# Altium PCB VNA_BASE_AF2P.PcbDoc (part 3 of 3)
Units mil, origin at the board's own origin, x right, y up, seen from the top; angles counter-clockwise.
Board outline 5118.11 x 2952.76 mil, 4 copper layers (Top Layer, Internal Plane 1, Signal Layer 1, Bottom Layer), stack 30.634 mil thick; 383 components, 339 nets, 1503 pads, 958 vias.
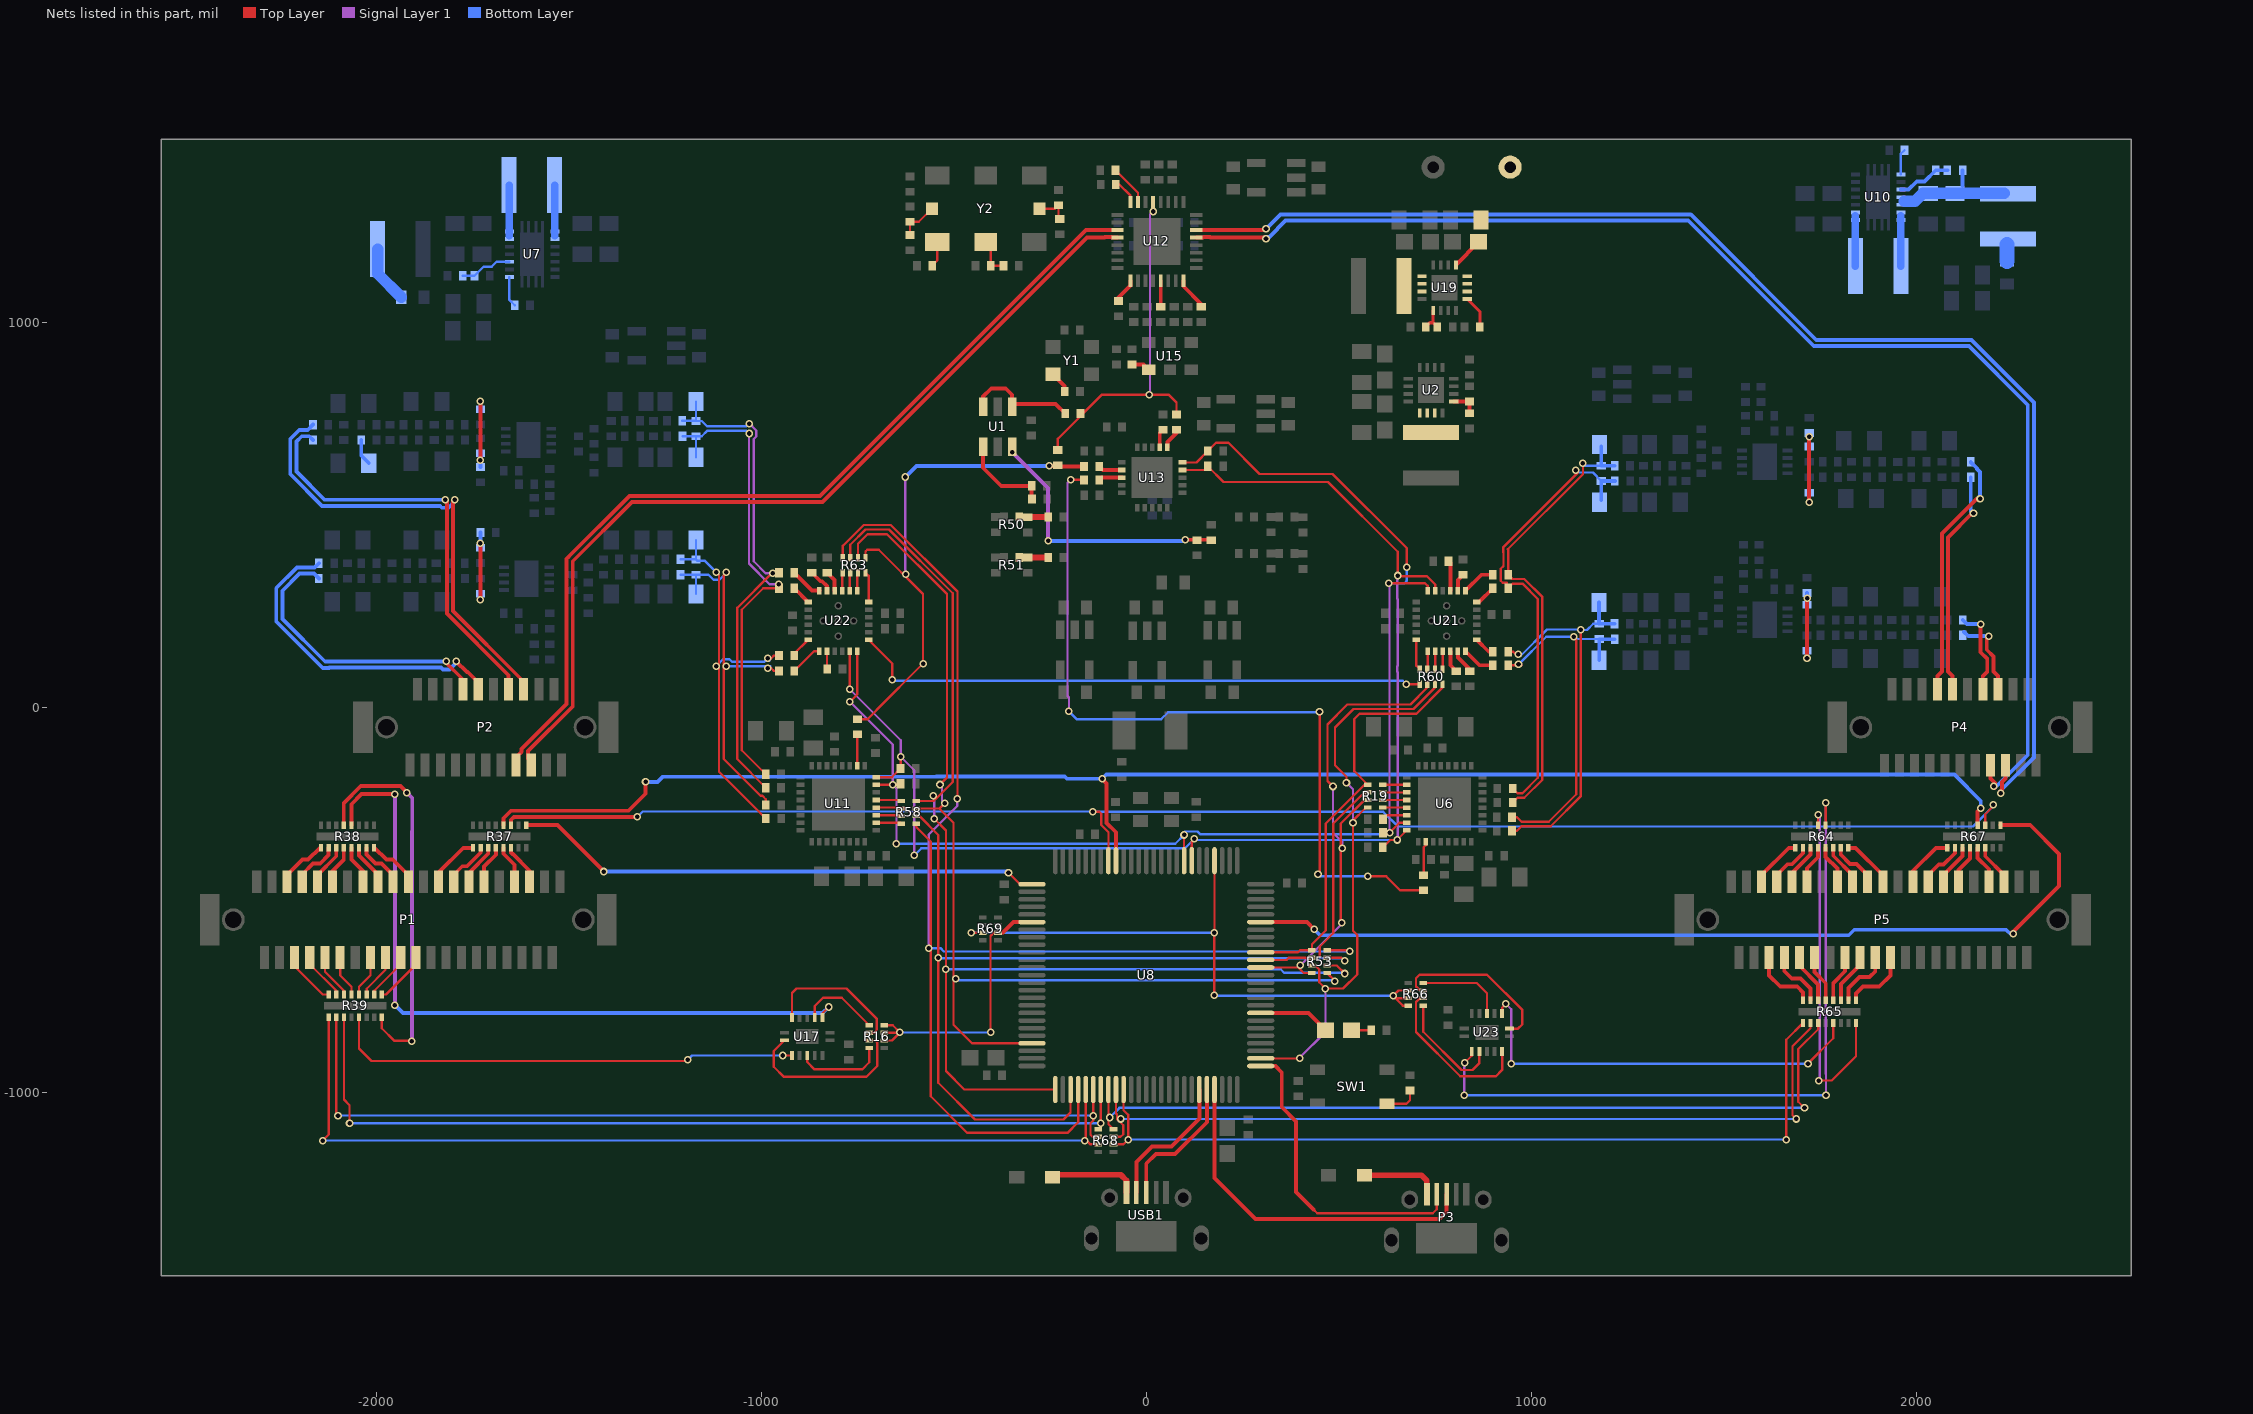
[diagram p5: the nets of this part, all layers, seen from the top]

## Via types
v1: diameter 19.68, hole 11.81, Top Layer to Bottom Layer, 478 vias
v2: diameter 17.72, hole 11.81, Top Layer to Bottom Layer, 464 vias
v3: diameter 20, hole 12, Top Layer to Bottom Layer, 16 vias

## Nets (pads, with @x,y where several pads share a name; then routed paths per layer and width w, separated by ;. In a path a pad name is that pad's centre, name@x,y a point inside that pad or via, vN(x,y) a via of type N, cw(c..) or ccw(c..) an arc to the next point about the centre after c; other vN are vias at no path point) (continued)
NetC164_2: C164.2@-255,495 R50.2 | length 75
  Top Layer w15: R50.2@-330,495 C164.2@-255,495
NetC165_2: C165.2 R51.2 | length 52.7
  Top Layer w15: R51.2@-307.68,390 C165.2@-255,390
NetC168_1: C168.1 L17.2 | length 68.2
  Bottom Layer w10: C168.1@-2039.69,695 -2039.69,654.69 L17.2@-2020,635
NetC172_1: C172.1 U19.9 | length 86
  Top Layer w8: U19.9@833.91,1061.39 866.54,1028.76 C172.1@866.54,988.92
NetC176_1: C176.1 U21.6 | length 86.1
  Top Layer w10: U21.6@829.21,146.26 865.47,110 C176.1@900.31,110
NetC177_1: C177.1 U21.5 | length 58.9
  Top Layer w10: U21.5@809.53,146.26 809.53,130.47 C177.1@840,100
NetC178_1: C178.1 U21.7 | length 54.3
  Top Layer w10: U21.7@858.74,175.79 889.53,145 C178.1@900.31,145
NetC179_1: C179.1 U21.12 | length 56.4
  Top Layer w10: U21.12@858.74,274.21 864.53,274.21 C179.1@900.31,310
NetC180_1: C180.1 U21.13 | length 88.2
  Top Layer w10: U21.13@829.21,303.74 870.47,345 C180.1@900.31,345
NetC181_2: C181.2 U21.14 | length 46.8
  Top Layer w10: U21.14@809.53,303.74 809.53,331.53 C181.2@823,345
NetC185_1: C185.1 U22.6 | length 84.4
  Top Layer w10: C185.1@-914.4,350.04 -868.1,303.74 U22.6@-849.21,303.74
NetC186_1: C186.1 U22.5 | length 65.7
  Top Layer w10: C186.1@-869.09,350.35 -846.73,328 -842.17,328 -829.53,315.36 U22.5@-829.53,303.74
NetC187_1: C187.1 U22.7 | length 50.6
  Top Layer w10: C187.1@-914.4,310.04 -914.4,309.87 U22.7@-878.74,274.21
NetC188_1: C188.1 U22.12 | length 50.4
  Top Layer w6: C188.1@-914.4,140.12 U22.12@-878.74,175.79
NetC189_1: C189.1 U22.13 | length 86.4
  Top Layer w6: C189.1@-914.4,95.04 -863.18,146.26 U22.13@-849.21,146.26
NetC190_2: C190.2 U22.14 | length 45.8
  Top Layer w6: C190.2@-829.53,100.48 U22.14@-829.53,146.26
NetC205_1: C205.1 C207.1 L50.1 R21.1 U10.4 U10.5 | length 309.1
  Bottom Layer w10: 2120.85,1355.55 R21.1@2120.85,1395.87
  Bottom Layer w30: 1969,1315 1997,1315 2017.87,1335.87 C207.1@2031.17,1335.87 C205.1@2101.17,1335.87 L50.1@2229.13,1335.87
NetC209_1: C209.1 U7.1 | length 79.4
  Bottom Layer w6: U7.1@-1654.74,1118.58 -1654.74,1059.06 C209.1@-1640.69,1045
NetC210_1: C210.1 U10.1 | length 67
  Bottom Layer w6: U10.1@1960.22,1384.92 1960.22,1438.54 C210.1@1969.69,1448
NetD1_1: D1.1 P3.1 | length 204
  Top Layer w15: D1.1@566.46,-1215 715,-1215 728.82,-1228.82 P3.1@728.82,-1264.69
NetD2_1: D2.1 USB1.1 | length 223.3
  Top Layer w15: D2.1@-237.36,-1213.82 -66.18,-1213.82 -51.18,-1228.82 USB1.1@-51.18,-1259.69
NetL2_1: L2.1 U7.6 U7.7 | length 130.7
  Bottom Layer w20: -1654.74,1226 U7.7@-1654.74,1236.69 L2.1@-1654.74,1356.69
NetL2_2: L2.2 U7.8 U7.9 | length 130.7
  Bottom Layer w20: -1536.63,1226 U7.8@-1536.63,1236.69 L2.2@-1536.63,1356.69
NetL3_1: L3.1 U10.8 U10.9 | length 131.2
  Bottom Layer w20: L3.1@1842.11,1146.81 U10.8@1842.11,1266.81 1842.11,1278
NetL3_2: L3.2 U10.6 U10.7 | length 131.2
  Bottom Layer w20: L3.2@1960.22,1146.81 U10.7@1960.22,1266.81 1960.22,1278
NetL12_2: L12.2 L13.1 R32.2 | length 202.3
  Top Layer w10: v1(-1730,280) v1(-1730,427)
  Bottom Layer w10: v1(-1730,280) L13.1@-1730,295.31 ; L12.2@-1730,415 v1(-1730,427) R32.2@-1730,455
NetL23_1: L23.1 L24.2 R34.2 | length 210.3
  Top Layer w10: v1(-1730,642) v1(-1730,796)
  Bottom Layer w10: R34.2@-1730,625 L23.1@-1730,660.31 ; L24.2@-1730,775 v1(-1730,796)
NetL34_1: L34.1 L35.2 R43.2 | length 222.3
  Top Layer w10: v1(1722.01,533.01) v1(1722,703.98)
  Bottom Layer w10: v1(1722.01,533.01) L35.2@1722.01,558.39 ; L34.1@1722.01,678.07 v1(1722,703.98)
NetL45_1: L45.1 L46.2 R46.2 | length 205
  Top Layer w10: v1(1716.42,128.58) 1716.42,283.42 v1(1717,284)
  Bottom Layer w10: v1(1716.42,128.58) L46.2@1716.42,147.64 ; L45.1@1716.42,267.32 R46.2@1716.42,297.64
NetL47_1: L47.1 U2.1 U2.2 U2.3
NetL48_1: L48.1 U19.1 U19.2 U19.3
NetL49_2: L49.2 R23.2 | length 150.5
  Bottom Layer w30: L49.2@-1997.11,1191 -1997.11,1127.58 R23.2@-1935.53,1066
NetL50_2: L50.2 R55.2 | length 43.4
  Bottom Layer w39.37: R55.2@2236,1159.53 L50.2@2236,1202.89
NetLED1_1: LED1.1 U8.83 | length 187
  Top Layer w10: U8.83@297.24,-793.43 421.06,-793.43 LED1.1@465.75,-838.12
NetLED1_2: LED1.2 R18.1 | length 51.3
  Top Layer w6: LED1.2@533.21,-838.12 R18.1@584.53,-838.12
NetP1_3: P1.3 R38.1 | length 117.7
  Top Layer w10: P1.3@-2232.28,-435.23 -2192.05,-395 -2177.63,-395 -2147.15,-364.53 R38.1@-2143.9,-364.53
NetP1_4: P1.4 R38.2 | length 108
  Top Layer w10: P1.4@-2192.91,-432.91 -2165,-405 -2145.94,-405 -2124.21,-383.27 R38.2@-2124.21,-364.53
NetP1_5: P1.5 R38.3 | length 91
  Top Layer w10: P1.5@-2153.54,-435.23 -2104.53,-386.22 R38.3@-2104.53,-364.53
NetP1_6: P1.6 R38.4 | length 100.4
  Top Layer w10: P1.6@-2114.17,-452.76 -2114.17,-424.17 -2084.84,-394.84 R38.4@-2084.84,-364.53
NetP1_8: P1.8 R38.5 | length 72.4
  Top Layer w10: R38.5@-2065.16,-364.53 -2065.16,-394.84 P1.8@-2035.43,-424.57
NetP1_9: P1.9 R38.6 | length 89.9
  Top Layer w10: R38.6@-2045.47,-364.53 -2045.47,-384.53 P1.9@-1996.06,-433.94
NetP1_10: P1.10 R38.7 | length 108.4
  Top Layer w10: R38.7@-2025.79,-364.53 -2025.79,-381.59 -2002.37,-405 -1986.92,-405 P1.10@-1956.69,-435.23
NetP1_11: P1.11 R38.8 | length 118.1
  Top Layer w10: R38.8@-2006.1,-364.53 -2004.77,-364.53 -1974.3,-395 -1957.55,-395 P1.11@-1917.32,-435.23
NetP1_13: P1.13 R37.1 | length 116.2
  Top Layer w10: P1.13@-1838.58,-428.58 -1774.53,-364.53 R37.1@-1748.9,-364.53
NetP1_14: P1.14 R37.2 | length 124.4
  Top Layer w10: P1.14@-1799.21,-452.76 -1799.21,-434.21 -1777.23,-412.23 -1764.93,-412.23 -1729.21,-376.51 R37.2@-1729.21,-364.53
NetP1_15: P1.15 R37.3 | length 86.1
  Top Layer w10: P1.15@-1759.84,-429.76 -1709.53,-379.45 R37.3@-1709.53,-364.53
NetP1_16: P1.16 R37.4 | length 100.9
  Top Layer w10: P1.16@-1720.47,-452.76 -1720.47,-413.02 -1689.84,-382.39 R37.4@-1689.84,-364.53
NetP1_18: P1.18 R37.5 | length 100
  Top Layer w10: R37.5@-1670.16,-364.53 -1670.16,-379.84 -1641.73,-408.27 P1.18@-1641.73,-452.76
NetP1_19: P1.19 R37.6 | length 80
  Top Layer w10: R37.6@-1650.47,-364.53 -1650.47,-376.9 -1646.66,-380.71 -1645.71,-380.71 P1.19@-1602.36,-424.06
NetP1_31: P1.31 R39.9 | length 138.7
  Top Layer w6: R39.9@-1986.1,-745.47 -1975.47,-745.47 -1897.64,-667.64 P1.31@-1897.64,-649.61
NetP1_32: P1.32 R39.10 | length 107
  Top Layer w6: R39.10@-2005.79,-745.47 -2005.79,-735.79 P1.32@-1937.01,-667.01
NetP1_33: P1.33 R39.11 | length 116.2
  Top Layer w6: R39.11@-2025.47,-745.47 -2025.47,-730.47 -1976.38,-681.38 P1.33@-1976.38,-649.61
NetP1_34: P1.34 R39.12 | length 108
  Top Layer w6: R39.12@-2045.16,-745.47 -2045.16,-725.16 -2015.75,-695.75 P1.34@-2015.75,-649.61
NetP1_36: P1.36 R39.13 | length 108.1
  Top Layer w6: P1.36@-2094.49,-649.61 -2094.49,-695.51 -2064.84,-725.16 R39.13@-2064.84,-745.47
NetP1_37: P1.37 R39.14 | length 116.3
  Top Layer w6: P1.37@-2133.86,-649.61 -2133.86,-686.14 -2084.53,-735.47 R39.14@-2084.53,-745.47
NetP1_38: P1.38 R39.15 | length 124.5
  Top Layer w6: P1.38@-2173.23,-649.61 -2173.23,-666.77 -2104.21,-735.79 R39.15@-2104.21,-745.47
NetP1_39: P1.39 R39.16 | length 119
  Top Layer w6: P1.39@-2212.6,-672.4 -2139.53,-745.47 R39.16@-2123.9,-745.47
NetP5_3: P5.3 R64.1 | length 117
  Top Layer w10: P5.3@1598.43,-435.23 1669.13,-364.53 R64.1@1686.1,-364.53
NetP5_4: P5.4 R64.2 | length 123
  Top Layer w10: P5.4@1637.8,-452.76 1637.8,-435.23 1666.03,-407 1677.37,-407 1705.79,-378.58 R64.2@1705.79,-364.53
NetP5_5: P5.5 R64.3 | length 85.3
  Top Layer w10: P5.5@1677.17,-429.83 1725.47,-381.53 R64.3@1725.47,-364.53
NetP5_6: P5.6 R64.4 | length 100.1
  Top Layer w10: P5.6@1716.54,-452.76 1716.54,-417.46 1745.16,-388.84 R64.4@1745.16,-364.53
NetP5_8: P5.8 R64.5 | length 100.8
  Top Layer w10: R64.5@1764.84,-364.53 1764.84,-387.84 1795.28,-418.28 P5.8@1795.28,-452.76
NetP5_9: P5.9 R64.6 | length 91.3
  Top Layer w10: R64.6@1784.53,-364.53 1784.53,-384.9 P5.9@1834.65,-435.02
NetP5_10: P5.10 R64.7 | length 109.3
  Top Layer w10: R64.7@1804.21,-364.53 1804.21,-381.96 1828.25,-406 1844.79,-406 P5.10@1874.02,-435.23
NetP5_11: P5.11 R64.8 | length 118.8
  Top Layer w10: R64.8@1823.9,-364.53 1842.68,-364.53 P5.11@1913.39,-435.23
NetP5_13: P5.13 R67.1 | length 113.6
  Top Layer w10: P5.13@1992.13,-423.87 2051.47,-364.53 R67.1@2081.1,-364.53
NetP5_14: P5.14 R67.2 | length 106.7
  Top Layer w10: P5.14@2031.5,-435.23 2058.73,-408 2071.23,-408 2100.79,-378.44 R67.2@2100.79,-364.53
NetP5_15: P5.15 R67.3 | length 91.3
  Top Layer w10: P5.15@2070.87,-435.23 2120.47,-385.62 R67.3@2120.47,-364.53
NetP5_16: P5.16 R67.4 | length 100.6
  Top Layer w10: P5.16@2110.24,-452.76 2110.24,-421.76 2140.16,-391.84 R67.4@2140.16,-364.53
NetP5_18: P5.18 R67.5 | length 100.3
  Top Layer w10: R67.5@2159.84,-364.53 2159.84,-390.84 2188.98,-419.98 P5.18@2188.98,-452.76
NetP5_19: P5.19 R67.6 | length 90.9
  Top Layer w10: R67.6@2179.53,-364.53 2179.53,-386.41 P5.19@2228.35,-435.23
NetP5_31: P5.31 R65.9 | length 172.4
  Top Layer w10: R65.9@1843.9,-760.47 1843.9,-743.1 1862,-725 1904,-725 1933.07,-695.93 P5.31@1933.07,-649.61
NetP5_32: P5.32 R65.10 | length 154.9
  Top Layer w10: R65.10@1824.21,-760.47 1824.21,-728.79 1853,-700 1879,-700 1893.7,-685.3 P5.32@1893.7,-649.61
NetP5_33: P5.33 R65.11 | length 112.4
  Top Layer w10: R65.11@1804.53,-760.47 1804.53,-718.47 P5.33@1854.33,-668.67
NetP5_34: P5.34 R65.12 | length 123.3
  Top Layer w10: R65.12@1784.84,-760.47 1784.84,-715.16 1814.96,-685.04 P5.34@1814.96,-649.61
NetP5_36: P5.36 R65.13 | length 122.9
  Top Layer w10: P5.36@1736.22,-649.61 1736.22,-687.22 1765.16,-716.16 R65.13@1765.16,-760.47
NetP5_37: P5.37 R65.14 | length 109.8
  Top Layer w10: P5.37@1696.85,-670.85 1745.47,-719.47 R65.14@1745.47,-760.47
NetP5_38: P5.38 R65.15 | length 152.6
  Top Layer w10: P5.38@1657.48,-649.61 1657.48,-684.48 1677,-704 1700,-704 1725.79,-729.79 R65.15@1725.79,-760.47
NetP5_39: P5.39 R65.16 | length 173.1
  Top Layer w10: P5.39@1618.11,-649.61 1618.11,-696.11 1647,-725 1691,-725 1706.1,-740.1 R65.16@1706.1,-760.47
NetR1_2: R1.2 U13.7 | length 48.7
  Top Layer w10: U13.7@35,676.22 35,713.17 R1.2@43.31,721.48
NetR2_2: R2.2 U12.32 | length 60.5
  Top Layer w6: R2.2@-72.48,1361.1 -41.38,1330 U12.32@-41.38,1313.46
NetR3_2: R3.2 U12.13 | length 67.5
  Top Layer w10: R3.2@37.36,1041.26 U12.13@37.36,1108.74
NetR4_2: R4.2 U12.9 | length 65.5
  Top Layer w10: R4.2@-72.48,1056.1 -72.48,1065.52 -41.38,1096.62 U12.9@-41.38,1108.74
NetR5_2: R5.2 R6.1 U2.5 | length 71.3
  Top Layer w10: U2.5@798.74,795.16 839.53,795.16 R6.1@839.69,795 R5.2@839.69,764.69
NetR8_1: R8.1 U13.13 | length 52.6
  Top Layer w10: R8.1@-116,597.48 U13.13@-63.43,597.48
NetR8_2: R8.2 R9.2 | length 2025.9
  Top Layer w6: v1(-196.52,591.48) R8.2@-161.69,591.48 ; v1(446,-433) 450.94,-428.06 v1@450.94,-11 ; v1(575,-438) 623,-438 660,-475 R9.2@720,-475
  Signal Layer 1 w6: v1(-201,-10) -201,26.26 -204.79,30.05 -204.79,583.21 v1(-196.52,591.48)
  Bottom Layer w6: v1(-201,-10) -181,-30 39,-30 57,-12 451,-12 v1(450,-11) ; v1(446,-433) 451,-438 v1(575,-438)
NetR9_1: R9.1 U6.2 | length 88.3
  Top Layer w6: R9.1@720.68,-434.63 720.68,-362.64 725.79,-357.54 U6.2@725.79,-348.43
NetR10_2: R10.2 U12.31 | length 106.7
  Top Layer w6: R10.2@-80,1396 -21.69,1337.69 U12.31@-21.69,1313.46
NetR11_2: R11.2 R30.1 R36.1 U6.31 U8.8 U11.31 U13.5 U21.18 U22.18 | length 3673.1
  Top Layer w6: v1(-770,15) -750.79,34.21 U22.18@-750.79,146.26 ; U11.31@-701.57,-200.79 v1(-659,-200.79) R36.1@-641.19,-200.79 ; U13.5@94.06,636.85 130.07,636.85 R11.2@159.9,666.68 180.9,687.68 213.31,687.68 293.99,607 484,607 677,414 v1(677,364) ; v1(98,-331) 98,-397.33 U8.8@98.43,-397.76 ; R30.1@614.68,-325 v1(632,-325) 657.79,-299.21 U6.31@676.57,-299.21 ; v1(630,323) 724,323 730.79,316.21 U21.18@730.79,303.74
  Signal Layer 1 w6: v1(-770,15) -659,-96 v1(-659,-200.79) -649.16,-210.63 v1(-649.16,-353.84) ; v1(632,-325) v1@632,320
  Bottom Layer w6: v1(-649.16,-353.84) 75.16,-353.84 v1(98,-331) 98,-324 99.84,-322.16 132.8,-322.16 139.49,-328.84 628.16,-328.84 v1(632,-325) ; v1(630,323) 670,323 677,330 v1(677,364)
NetR12_2: R12.2 R29.1 R35.1 U6.32 U8.7 U11.32 U13.4 U21.17 U22.17 | length 3646.4
  Top Layer w6: U22.17@-770.47,146.26 -770.4,146.19 v1(-770.4,47.4) ; U11.32@-701.57,-181.1 -661.5,-181.1 R35.1@-638.47,-158.07 -638,-157.6 v1(-638,-128) ; U13.4@94.06,617.17 150.39,617.16 R12.2@159.9,626.68 200.57,586 472,586 653,405 v1(653,343) 653,341 729,341 750.47,319.53 U21.17@750.47,303.74 ; U8.7@118.11,-397.76 118.11,-347.89 v1(125,-341) ; R29.1@614.6,-362.96 633.56,-344 v1(652,-344) 652,-343.47 U6.32@676.57,-318.9
  Signal Layer 1 w6: v1(-770.4,47.4) -638,-85 v1(-638,-128) -603,-163 v1(-603,-384) ; v1(652,-344) 653,-343 653,91.35 652.16,92.2 652.16,107.8 653,108.65 653,281.35 652.16,282.2 652.16,342.16 v1(653,343)
  Bottom Layer w6: v1(-603,-384) -584.84,-365.84 100.16,-365.84 v1(125,-341) 128,-344 v1(652,-344)
NetR13_2: R13.2 U12.16 | length 79.4
  Top Layer w10: U12.16@96.42,1108.74 96.42,1094.58 R13.2@142.52,1048.48
NetR14_2: R14.2 R54.1 U7.3 | length 136
  Bottom Layer w6: R14.2@-1775.68,1121.63 R54.1@-1745.37,1121.63 -1722,1145 -1700.9,1145 -1687.95,1157.95 U7.3@-1654.74,1157.95
NetR15_2: R15.2 U15.1 | length 49.4
  Top Layer w10: R15.2@-37.48,891.1 -7.03,891.1 U15.1@6.4,877.67
NetR16_1: R16.1 U17.3 | length 210.2
  Top Layer w6: U17.3@-861.3,-805.5 -861.3,-775.3 -840,-754 -791.16,-754 R16.1@-719.69,-825.47
NetR16_2: R16.2 U17.6 | length 372.8
  Top Layer w6: U17.6@-920.35,-805.5 -920.35,-741.71 -908.48,-729.83 -779.17,-729.83 -700,-809 -700,-836.84 -708.31,-845.16 R16.2@-719.69,-845.16
NetR16_3: R16.3 U17.8 | length 454.9
  Top Layer w6: U17.8@-940.04,-864.55 -968,-892.51 -968,-933 -941.5,-959.5 -727.5,-959.5 -699.16,-931.16 -699.16,-870.84 -705.16,-864.84 R16.3@-719.69,-864.84
NetR16_4: R16.4 U17.11 | length 231
  Top Layer w6: U17.11@-880.98,-903.92 -880.98,-921.02 -862,-940 -738,-940 -719.69,-921.69 R16.4@-719.69,-884.53
NetR16_6: R16.6 R16.7 R16.8 R69.6 U8.31 | length 745.3
  Top Layer w6: R16.6@-680.32,-864.84 -660.84,-864.84 v1@-641.16,-845.16 ; R16.7@-680.32,-845.16 v1@-641.16,-845.16 ; R16.8@-680.32,-825.47 -658.53,-825.47 v1(-640,-844) v1@-641.16,-845.16 ; v1(-404,-843) -405,-842 -405,-593.3 -396.54,-584.84 R69.6@-385.32,-584.84
  Top Layer w10: R69.6@-385.32,-584.84 -372.47,-584.84 -344.83,-557.21 U8.31@-297.24,-557.21
  Bottom Layer w6: v1(-640,-844) -405,-844 v1(-404,-843)
NetR17_1: R17.1 SW1.2 | length 88.6
  Top Layer w6: SW1.2@625.55,-1029.29 675.71,-1029.29 685,-1020 R17.1@685,-994.68
NetR19_1: R19.1 R53.5 R60.8 U8.91 | length 1087.3
  Top Layer w6: U8.91@297.24,-635.95 394.05,-635.95 399.53,-630.47 R53.5@430.31,-630.47 430.31,-614.69 465.95,-579.05 465.95,-301.44 566.92,-200.47 R19.1@575.31,-200.47 540,-165.16 540,-30 554,-16 701.61,-16 769.53,51.92 R60.8@769.53,60.31
NetR19_2: R19.2 R53.6 U8.90 | length 638.8
  Top Layer w6: U8.90@297.24,-655.63 364.37,-655.63 369.84,-650.16 R53.6@430.31,-650.16 444.84,-650.16 450.84,-644.16 450.84,-621.23 485.63,-586.45 485.63,-301.45 566.92,-220.16 R19.2@575.31,-220.16
NetR19_3: R19.3 R53.8 R60.6 U8.89 | length 1293.4
  Top Layer w6: U8.89@297.24,-675.32 394.68,-675.32 408.9,-689.53 R53.8@430.31,-689.53 ; v1(485,-205) 470.63,-190.63 470.63,-43.69 522.32,8 686.24,8 730.16,51.92 R60.6@730.16,60.31 ; v1(508,-559) 505.32,-556.32 505.32,-301.44 566.92,-239.84 R19.3@575.31,-239.84
  Signal Layer 1 w6: v1(400.16,-669.84) 508,-562 v1(508,-559) ; v1(485,-205) 485,-325 509,-349 v1(509,-365)
NetR19_5: R19.5 U6.29 | length 61.6
  Top Layer w6: R19.5@615,-259.84 U6.29@676.57,-259.84
NetR19_6: R19.6 U6.28 | length 61.6
  Top Layer w6: R19.6@615,-240.16 U6.28@676.57,-240.16
NetR19_7: R19.7 U6.27 | length 61.6
  Top Layer w6: R19.7@615,-220.47 U6.27@676.57,-220.47
NetR19_8: R19.8 U6.26 | length 61.6
  Top Layer w6: R19.8@615,-200.79 U6.26@676.57,-200.79
NetR21_2: R21.2 R22.1 U10.3 | length 141.8
  Bottom Layer w10: U10.3@1960.22,1345.55 1980.61,1345.55 2001.61,1366.55 2021.54,1366.55 R22.1@2050.85,1395.87 R21.2@2081.17,1395.87
NetR24_2: R24.2 R56.1 U19.5 | length 71.4
  Top Layer w8: R24.2@725.85,988.92 736.69,999.76 745.32,999.76 ; U19.5@745.32,1031.87 745.32,999.76 ; R56.1@756.17,988.92 745.32,999.76
NetR26_2: R26.2 Y2.1 | length 66.9
  Top Layer w6: R26.2@-556.23,1147.95 -542.98,1161.2 Y2.1@-542.98,1209.39
NetR27_1: R27.1 Y1.1 | length 57.2
  Top Layer w10: Y1.1@-242.68,865.67 -212.17,835.16 R27.1@-212.17,821.1
NetR37_9: R37.9 U8.26 | length 1373.1
  Top Layer w6: v1(-358,-429) -328.22,-458.78 U8.26@-297.24,-458.78
  Top Layer w10: R37.9@-1611.1,-305.47 -1529.53,-305.47 v1(-1409,-426)
  Bottom Layer w10: v1(-1409,-426) v1@-361,-426
NetR40_1: R40.1 U11.2 | length 81.1
  Top Layer w6: U11.2@-750.79,-151.58 R40.1@-750.79,-70.47
NetR40_2: R40.2 R47.2 R63.5 R76.1 | length 1357.3
  Top Layer w6: R40.2@-750,-30 -723.76,-30 -700.84,-7.08 -700.84,-6.2 -580.89,113.76 v1(-580,113.76) -580,295 -695,410 -725,410 -729.56,405.44 R63.5@-729.56,389.72
  Top Layer w10: v1(-252,628) -228.69,628 -227.17,626.48 R47.2@-161.69,626.48
  Signal Layer 1 w6: v1(-626,599) -626,349 -627,348 v1(-625,346)
  Bottom Layer w10: v1(-626,599) -597,628 v1(-252,628)
NetR47_1: R47.1 U13.12 | length 62.4
  Top Layer w10: R47.1@-122,626.48 -112.68,617.16 U13.12@-63.43,617.17
NetR52_1: R52.1 U13.6 | length 55.4
  Top Layer w10: U13.6@54.68,676.22 54.68,689.68 78.31,713.31 R52.1@78.31,721.79
NetR53_1: R53.1 R58.3 R63.6 U8.47 | length 2785.5
  Top Layer w6: R63.6@-749.24,389.72 -749.24,425.43 -724.3,450.37 -673.63,450.37 -518,294.74 -518,-182 v1(-536,-200) ; -587.6,-262.28 -537.72,-262.28 ; v1(-524,-249) -537.28,-262.28 -537.72,-262.28 ; U8.47@-297.24,-872.17 -452.83,-872.17 -500.94,-824.06 -500.94,-299.06 -537.72,-262.28 ; R53.1@469.68,-689.53 490,-709.84 v1(490,-711)
  Signal Layer 1 w6: v1(-536,-200) -531,-205 -531,-242 v1(-524,-249)
  Bottom Layer w6: v1(-494.84,-704.84) -490.84,-708.84 389.51,-708.84 390.2,-708.16 487.16,-708.16 v1(490,-711)
NetR53_2: R53.2 R58.4 R63.7 U8.51 | length 3126.1
  Top Layer w6: R63.7@-768.93,389.72 -768.93,422.71 -729.27,462.37 -668.66,462.37 -503,296.71 -503,-193.65 -551.95,-242.6 R58.4@-597.72,-242.6 ; v1(-551,-289) -520.63,-319.37 v1(-520.63,-680) -520.63,-944.37 -472.76,-992.24 U8.51@-236.22,-992.24 ; R53.2@469.68,-669.84 469.84,-670 495,-670 v1(516,-691)
  Signal Layer 1 w6: v1(-554,-229) -551,-226 v1(-551,-289)
  Bottom Layer w6: v1(-520.63,-680) 349,-680 357.69,-688.69 v1@511,-688.69 ; v1@511,-686 v1(516,-691)
NetR53_3: R53.3 R58.2 U8.53 | length 2278.5
  Top Layer w6: R58.2@-597.72,-281.97 -589.33,-281.97 -540.32,-330.98 -540.32,-974.68 -445,-1070 -215,-1070 -196.85,-1051.85 U8.53@-196.85,-992.24 ; R53.3@469.68,-650.16 507.16,-650.16 v1(515,-658)
  Bottom Layer w6: v1(-540.16,-650.16) -539.31,-651 508,-651 v1(515,-658)
NetR53_4: R53.4 R58.1 R63.8 U8.54 | length 3779
  Top Layer w6: R63.8@-788.61,389.72 -788.61,420 -734.24,474.37 -663.69,474.37 -490.63,301.31 -490.63,-236.63 v1(-491,-237) ; R58.1@-597.72,-301.65 -597.72,-310.17 -560,-347.89 -560,-1010 -465,-1105 -205,-1105 -177.17,-1077.17 U8.54@-177.17,-992.24 ; R53.4@469.68,-630.47 v1@526.47,-630.47
  Signal Layer 1 w6: v1(-565,-625) -565,-329.65 -491,-255.65 v1(-491,-237)
  Bottom Layer w6: v1(-565,-625) -535,-625 -526.16,-633.84 v1@529,-633.84 ; v1@527.31,-631.31 v1(529,-633)
NetR57_2: R57.2 U6.30 | length 65.9
  Top Layer w6: R57.2@615,-290 625.47,-279.53 U6.30@676.57,-279.53
NetR58_5: R58.5 U11.29 | length 62
  Top Layer w6: U11.29@-701.57,-240.16 R58.5@-639.53,-240.16
NetR58_6: R58.6 U11.28 | length 62
  Top Layer w6: U11.28@-701.57,-259.84 R58.6@-639.53,-259.84
NetR58_7: R58.7 U11.27 | length 62
  Top Layer w6: U11.27@-701.57,-279.53 R58.7@-639.54,-279.53
NetR58_8: R58.8 U11.26 | length 62
  Top Layer w6: U11.26@-701.57,-299.21 R58.8@-639.53,-299.21
NetR59_1: R59.1 U21.4 | length 57.9
  Top Layer w10: U21.4@789.84,146.26 789.84,109.84 R59.1@805,94.68
NetR60_1: R60.1 U21.3 | length 45.9
  Top Layer w6: R60.1@770.16,100.31 U21.3@770.16,146.26
NetR60_2: R60.2 U21.2 | length 45.9
  Top Layer w6: R60.2@750.47,100.31 U21.2@750.47,146.26
NetR60_3: R60.3 U21.1 | length 45.9
  Top Layer w6: R60.3@730.79,100.31 U21.1@730.79,146.26
NetR60_4: R60.4 U21.24 | length 79.9
  Top Layer w6: U21.24@701.26,175.79 701.26,108.9 R60.4@710.47,99.68
NetR60_5: R60.5 U22.19 | length 1504.5
  Top Layer w6: U22.19@-721.26,175.79 -660,114.53 v1(-660,72) ; v1(675.69,60.31) R60.5@710.47,60.31
  Bottom Layer w6: v1(-660,72) -657.86,69.86 500.83,69.86 666.16,69.84 v1(675.69,60.31)
NetR61_2: R61.2 U21.15 | length 71.4
  Top Layer w10: U21.15@789.84,303.74 R61.2@789.84,375.16
NetR62_1: R62.1 U22.4 | length 54.6
  Top Layer w10: R62.1@-829.09,350.35 -809.84,331.11 U22.4@-809.84,303.74
NetR63_1: R63.1 U22.3 | length 45.1
  Top Layer w6: U22.3@-790.16,303.74 R63.1@-790.16,348.81
NetR63_2: R63.2 U22.2 | length 45.1
  Top Layer w6: U22.2@-770.47,303.74 R63.2@-770.47,348.81
NetR63_3: R63.3 U22.1 | length 45.1
  Top Layer w6: U22.1@-750.79,303.74 R63.3@-750.79,348.81
NetR63_4: R63.4 U22.24 | length 79.6
  Top Layer w6: R63.4@-729.56,350.35 -721.26,342.05 U22.24@-721.26,274.21
NetR65_1: R65.1 R68.2 U8.60 | length 2208.9
  Top Layer w6: R68.2@-85.31,-1134.84 -59.84,-1134.84 v1(-47.32,-1122.32) -47.32,-1057.68 -59.06,-1045.94 U8.60@-59.06,-992.24 ; v1(1662.68,-1122.32) 1662.68,-862.94 R65.1@1706.1,-819.53
  Bottom Layer w6: v1(-47.32,-1122.32) v1(1662.68,-1122.32)
NetR65_2: R65.2 R68.3 U8.59 | length 2189.8
  Top Layer w6: R68.3@-85.31,-1115.16 -66.81,-1115.16 -60,-1108.35 -60,-1085 -76.16,-1068.84 ; U8.59@-78.74,-992.24 -78.74,-1054.61 -76.16,-1057.2 -76.16,-1068.84 ; v1(-66.16,-1068.84) -76.16,-1068.84 ; v1(1688.84,-1068.84) 1679,-1059 1679,-880.18 1725.79,-833.39 R65.2@1725.79,-819.53
  Bottom Layer w6: v1(-66.16,-1068.84) v1(1688.84,-1068.84)
NetR65_3: R65.3 R68.4 U8.58 | length 2175.9
  Top Layer w6: U8.58@-98.43,-992.24 v1@-98.43,-1065 ; v1(-95,-1065) v1@-98.43,-1065 ; R68.4@-85.31,-1095.47 -98.43,-1082.36 v1@-98.43,-1065 ; v1(1710,-1040) 1694,-1024 1694,-887 1745.47,-835.53 R65.3@1745.47,-819.53
  Bottom Layer w6: v1(-95,-1065) -70,-1040 v1(1710,-1040)
NetR66_1: R66.1 U23.3 | length 292.6
  Top Layer w6: R66.1@719.68,-774.53 719.68,-842.33 819.2,-941.84 847.16,-941.84 865.31,-923.69 U23.3@865.31,-893.21
NetR66_2: R66.2 U23.6 | length 427
  Top Layer w6: R66.2@719.68,-754.84 711.29,-754.84 700.84,-765.29 700.84,-842.84 815.84,-957.84 908.16,-957.84 924.37,-941.63 U23.6@924.37,-893.21
NetR66_3: R66.3 U23.8 | length 437.3
  Top Layer w6: R66.3@719.68,-735.16 711.29,-735.16 700.84,-724.71 700.84,-703.16 710,-694 885,-694 977,-786 977,-823 965.84,-834.16 U23.8@944.05,-834.16
NetR66_4: R66.4 U23.11 | length 229.1
  Top Layer w6: R66.4@719.68,-715.47 858.47,-715.47 885,-742 U23.11@885,-794.79
NetR66_6: R66.6 R66.7 R66.8 R69.3 U8.4 | length 1604.8
  Top Layer w6: v1(-455.16,-584.84) R69.3@-424.69,-584.84 ; v1@176.84,-746.16 v1(176.84,-584.84) ; v1@177.17,-584.52 U8.4@177.17,-397.76 ; R66.8@680.31,-774.53 666.53,-774.53 v1@646.84,-754.84 ; R66.7@680.31,-754.84 v1@646.84,-754.84 ; R66.6@680.31,-735.16 654.84,-735.16 v1(641,-749) v1@646.84,-754.84
  Bottom Layer w6: v1(-455.16,-584.84) v1(176.84,-584.84) ; v1(176,-747) 178,-749 v1(641,-749)
NetR67_9: R67.9 U8.95 | length 2422.9
  Top Layer w10: U8.95@297.24,-557.21 417.21,-557.21 v1(436,-576) ; R67.9@2218.9,-305.47 2296.47,-305.47 2371,-380 2371,-464 2252,-583 v1(2252,-588)
  Bottom Layer w10: v1(436,-576) 451.71,-591.71 1824.82,-591.71 1839.37,-577.16 2233.74,-577.16 2248.29,-591.71 v1(2252,-588)
NetR70_2: R70.2 R75.2 Y2.8 | length 85.7
  Top Layer w6: Y2.8@-277,1296 -237,1296 R70.2@-228,1305 R75.2@-228,1272
NetR71_1: R71.1 R73.2 Y2.7 | length 105.4
  Top Layer w6: R71.1@-614,1227.69 R73.2@-614,1262 -591,1262 Y2.7@-557,1296
NetR72_1: R72.1 R74.2 Y2.2 | length 82
  Top Layer w6: Y2.2@-404.32,1196.7 R72.1@-404.32,1148 R74.2@-371,1148
NetR77_2: R77.2 R79.2 U1.4 | length 234.9
  Top Layer w10: U1.4@-424,678 -424,623 -377,576 R79.2@-298,576 -298,543 R77.2@-297,542
NetR78_1: R78.1 U1.1 U1.3 | length 289.6
  Top Layer w10: U1.3@-424,781.19 -424,808 -403,829 -365,829 -348.6,812.6 U1.1@-348.6,781.19 ; U1.1@-340.78,789 -235.69,789 R78.1@-210.69,764
NetR80_2: R80.2 R81.2 U1.6 | length 708
  Top Layer w10: v1(-348.6,663.6) U1.6@-348.6,678 ; v1(101,436) R80.2@168,436
  Signal Layer 1 w10: v1(-348.6,663.6) -255,570 v1(-255,433)
  Bottom Layer w10: v1(-255,433) 98,433 v1(101,436)
PA11: U8.70 USB1.2 | length 364.4
  Top Layer w10: USB1.2@-25.59,-1259.69 -25.59,-1180.59 15,-1140 65,-1140 137.8,-1067.2 U8.70@137.8,-992.24
PA12: U8.71 USB1.3 | length 362
  Top Layer w10: USB1.3@0,-1259.69 0,-1185 25,-1160 75,-1160 157.48,-1077.52 U8.71@157.48,-992.24
PA13: P3.3 U8.72 | length 930.2
  Top Layer w10: U8.72@177.17,-992.24 177.17,-1222.17 284,-1329 696.19,-1329 696.7,-1328.49 761.51,-1328.49 780,-1310 P3.3@780,-1264.69
PA14: P3.2 U8.76 | length 819.4
  Top Layer w6: 434,-1304 444,-1314 744,-1314 754.41,-1303.59 P3.2@754.41,-1264.69
  Top Layer w10: U8.76@297.24,-931.22 335.22,-931.22 352,-948 352,-1038 389,-1075 389,-1259 434,-1304
PA15: R19.4 R53.7 R60.7 U8.77 | length 1519.9
  Top Layer w6: U8.77@297.24,-911.54 v1@398.46,-911.54 ; R53.7@430.31,-669.84 438.71,-669.84 449.16,-680.29 449.16,-713.84 v1(465.31,-730) 511,-730 547.84,-693.16 547.84,-590.84 537,-580 v1(537,-299) ; v1(520,-195) 520,-179.69 490.31,-150 490.31,-51.85 538.16,-4 693.93,-4 749.84,51.92 R60.7@749.84,60.31 ; v1@531.59,-299 v1(537,-299) ; R19.4@568.93,-261.66 537,-293.59 v1(537,-299)
  Signal Layer 1 w6: v1(399,-911) 398,-910 465.31,-842.69 v1(465.31,-730) ; v1(520,-195) 537,-212 v1(537,-299)
R1_N: C76.1 P2.16 | length 834.9
  Top Layer w10: v1(-1793.06,120) -1765.06,92 -1762.73,92 P2.16@-1735.68,64.95
  Bottom Layer w10: C76.1@-2149.69,375 -2160.69,364 -2206.63,364 -2260.5,310.13 -2260.5,223.87 -2139.63,103 -2122.69,103 -2121.69,104 -1832.22,104 -1827.38,99.16 -1810.11,99.16 -1793.06,116.21 v1(-1793.06,120)
R1_P: C61.1 P2.15 | length 724.6
  Top Layer w10: v1(-1818.75,120) -1818.75,116.21 P2.15@-1778.54,76
  Bottom Layer w10: C61.1@-2149.69,335 -2162.69,348 -2200,348 -2244.5,303.5 -2244.5,230.5 -2133,119 -2132,120 v1(-1818.75,120)
R2_N: C135.1 P4.16 | length 588.3
  Top Layer w10: P4.16@2094.49,47.24 2094.49,81.77 2082.8,93.46 2082.8,442 2145.8,505 v1(2149,505)
  Bottom Layer w10: C135.1@2141.69,598.39 2141.69,512.31 v1(2149,505)
R2_P: C121.1 P4.15 | length 652.7
  Top Layer w10: P4.15@2055.12,47.24 2055.12,81.77 2066.8,93.46 2066.8,452.28 2156.52,542 v1(2166,542)
  Bottom Layer w10: C121.1@2141.69,638.39 2158.32,621.76 2158.32,619.32 2166,611.64 v1(2166,542)
RampCLK_LO: R37.12 R67.12 U8.17 | length 4248.4
  Top Layer w10: R37.12@-1670.16,-305.47 -1670.16,-287.61 -1650.55,-268 -1345,-268 -1301,-224 v1(-1301,-193) ; v1(-115,-185) -103,-197 -103,-299.56 -78.74,-323.82 U8.17@-78.74,-397.76 ; R67.12@2159.84,-305.47 2159.84,-270.16 v1(2168,-262)
  Bottom Layer w10: v1(-1301,-193) -1270,-193 -1256.94,-179.94 -545.42,-179.94 -544.63,-179.16 -212.32,-179.16 -206.48,-185 v1(-115,-185) -104.16,-174.16 2099.63,-174.16 2168,-242.52 v1(2168,-262)
RampDIR_LO: R37.11 R67.11 U8.18 | length 4129.9
  Top Layer w6: v1(-139.53,-270.53) -122.47,-270.53 -117,-276 -117,-305.35 -98.43,-323.93 U8.18@-98.43,-397.76 ; R67.11@2179.53,-305.47 2179.53,-277.12 2200,-256.65 v1(2200,-253)
  Top Layer w10: R37.11@-1650.47,-305.47 -1650.47,-291.47 -1643,-284 v1(-1322,-284)
  Bottom Layer w6: v1(-1322,-284) -1308.16,-270.16 -139.9,-270.16 v1(-139.53,-270.53) 615.21,-270.53 653.69,-309 2147.65,-309 2200,-256.65 v1(2200,-253)
RE1_N: C97.1 P2.19 | length 1213.7
  Top Layer w10: v1(-1796.16,540) -1800,540 -1801,539 -1801,250.63 -1622.57,72.2 -1622.57,52.43 P2.19@-1617.57,47.43
  Bottom Layer w10: C97.1@-2164.69,735 -2178.69,721 -2200.63,721 -2224,697.63 -2224,606.37 -2141.63,524 -1835.32,524 -1830.48,519.16 -1813.21,519.16 -1796.16,536.21 v1(-1796.16,540)
RE1_P: C85.1 P2.18 | length 1111.1
  Top Layer w10: v1(-1821.84,540) -1818,540 -1817,539 -1817,244 -1656.5,83.5 -1656.5,82.4 -1656.94,81.95 P2.18@-1656.94,47.43
  Bottom Layer w10: C85.1@-2164.69,695 -2174.69,705 -2194,705 -2208,691 -2208,613 -2135,540 v1(-1821.84,540)
RE2_N: C158.1 P4.19 | length 220.2
  Top Layer w10: v1@2183.31,186.71 2183.31,150.31 2200.91,132.71 2200.91,93.46 2212.6,81.77 P4.19@2212.6,47.24
  Bottom Layer w10: C158.1@2124.78,196.31 2135.46,185.63 v1(2189,185.63)
RE2_P: C146.1 P4.18 | length 232.3
  Top Layer w10: v1(2167.31,216.69) 2167.31,143.69 2184.91,126.09 2184.91,93.46 2173.23,81.77 P4.18@2173.23,47.24
  Bottom Layer w10: C146.1@2121.1,227.64 2132.05,216.69 v1(2167.31,216.69)
REF1_N: C70.1 C75.1 C112.1 C188.2 L11.1 | length 1040.8
  Top Layer w6: v1(-1116.84,107) v1@-1110,113.84 ; v1(-1116.84,351) -1110,344.16 v1@-1110,113.84 ; C112.1@-988.47,-288.07 -1110,-166.54 v1@-1110,113.84 ; v1(-983,127.88) -974.24,127.88 -967.09,135.04 C188.2@-954.09,135.04
  Bottom Layer w6: C75.1@-1210.32,385 C70.1@-1170.32,385 ; L11.1@-1170,435 C70.1@-1170,384.68 -1167,381.68 -1147.53,381.68 v1(-1116.84,351) ; v1(-1116.84,107) -1116.84,107.96 -1098.96,125.84 -1083.35,125.84 -1076.51,119 -992.84,119 -990.8,121.04 -979.93,121.04 v1@-979.49,121.49
REF1_P: C69.2 C70.2 C111.1 C189.2 L7.2 | length 993.5
  Top Layer w6: v1(-1091.16,107) v1@-1098,113.84 ; v1(-1091.16,351) -1098,344.16 v1@-1098,113.84 ; C111.1@-988.47,-253.07 -988.47,-238.07 -997.47,-229.07 -1002.52,-229.07 -1098,-133.59 v1@-1098,113.84 ; v1(-983,102.2) -974.24,102.2 -967.09,95.04 C189.2@-954.09,95.04
  Bottom Layer w6: C69.2@-1210,345 C70.2@-1170,345 ; L7.2@-1170,295 C70.2@-1170,345 ; v1(-1091.16,107) v1@-977,107 ; v1(-1091.16,351) -1091.16,350.04 -1109.04,332.16 -1124.65,332.16 -1137.49,345 C70.2@-1170,345
REF2_N: C31.1 C129.1 C133.1 C179.2 L33.1 | length 1212
  Top Layer w6: C31.1@951.68,-210 964.18,-222.5 977,-222.5 1017,-182.5 1017,282 977,322 952,322 C179.2@940,310 937,313 937,324 926.27,324 921,329.27 921,360.73 928,367.73 928,402.51 927,403.52 927,415.97 1121.51,610.49 v1(1115.5,616.5)
  Bottom Layer w6: v1@1121.51,610.49 1160.22,610.49 C129.1@1182.01,588.7
  Bottom Layer w10: L33.1@1182.01,538.39 C129.1@1182.01,588.7 ; C129.1@1182.32,588.39 C133.1@1217.32,588.39
REF2_P: C30.1 C128.2 C129.2 C180.2 L27.2 | length 1195.7
  Top Layer w6: C30.1@951.68,-247 964.18,-234.5 981.97,-234.5 1029,-187.47 1029,286.97 981.97,334 951,334 C180.2@940,345 940,410 939,411 1134.34,606.34 1134.34,633.98 v1(1133.66,634.66)
  Bottom Layer w6: v1@1134.34,633.98 1139.94,628.39 C129.2@1182.01,628.39
  Bottom Layer w10: L27.2@1182.01,678.39 C129.2@1182.01,628.39 C128.2@1217.01,628.39
REFLECT1_N: C93.1 C95.1 C109.2 C185.2 L22.1 | length 1307
  Top Layer w6: C109.2@-988.79,-208.07 -1063,-133.86 -1063,258.97 -974.93,347.04 -957.09,347.04 C185.2@-954.09,350.04
  Signal Layer 1 w6: v1(-1032,737.69) -1031.04,737.69 -1013.16,719.81 -1013.16,704.2 -1020,697.35 -1020,380 -989,349 v1(-971,349)
  Bottom Layer w6: C95.1@-1205.32,745 C93.1@-1170.32,745 ; L22.1@-1170,795 C93.1@-1170,744.68 -1155,744.68 -1141.16,730.84 -1038.84,730.84 v1(-1032,737.69)
REFLECT1_P: C92.2 C93.2 C108.2 C187.2 L16.2 | length 1246.9
  Top Layer w6: C108.2@-988.79,-173.07 -1051,-110.86 -1051,254 -994.96,310.04 C187.2@-954.09,310.04
  Signal Layer 1 w6: v1(-1032,712) -1032,374 -978,320 v1(-955,320)
  Bottom Layer w6: C92.2@-1205,705 C93.2@-1170,705 ; L16.2@-1170,650 C93.2@-1170,705 ; v1(-1032,712) -1038.84,718.84 -1141.16,718.84 -1155,705 C93.2@-1170,705
REFLECT2_N: C28.2 C154.1 C156.1 C176.2 L44.1 | length 983.8
  Top Layer w6: C176.2@940,110 974.68,110 972.68,112 v1(967,112) ; C28.2@950,-285 963,-285 974.5,-296.5 1045.5,-296.5 1117,-225 1117,177 v1(1110,184)
  Bottom Layer w6: v1(967,112) 1039,184 v1(1110,184) ; 1117,177 1117.95,177.95 C154.1@1176.42,177.95
  Bottom Layer w10: L44.1@1176.73,122.95 1176.73,177.64 C156.1@1216.73,177.64
REFLECT2_P: C27.2 C153.2 C154.2 C178.2 L38.2 | length 1019.1
  Top Layer w6: C178.2@940,145 953,145 959.68,138.32 v1(966.68,138.32) ; C27.2@950,-320 963,-320 974.5,-308.5 1050.47,-308.5 1129,-229.97 1129,201.32 v1(1128.16,202.16)
  Bottom Layer w6: v1(966.68,138.32) 970.51,134.49 972.51,134.49 1040.87,202.84 1127.48,202.84 v1(1128.16,202.16) ; v1@1129,201.32 1145.1,201.32 1161.42,217.64 C154.2@1176.42,217.64
  Bottom Layer w10: L38.2@1176.42,272.64 C154.2@1176.42,217.64 C153.2@1216.42,217.64
SDO_LO: R38.12 U17.2 | length 1902.9
  Top Layer w6: U17.2@-841.61,-805.5 -841.61,-794.61 v1(-825,-778)
  Top Layer w10: R38.12@-2065.16,-305.47 -2065.16,-251.16 -2039,-225 v1(-1952,-225)
  Signal Layer 1 w10: v1(-1952,-773) v1(-1952,-225)
  Bottom Layer w10: v1(-1952,-773) -1931.17,-793.83 -840.83,-793.83 v1(-825,-778)
SDO_LO2: R64.12 U23.2 | length 1878.6
  Top Layer w6: v1(827,-923) 845.63,-904.37 U23.2@845.63,-893.21 ; R64.12@1764.84,-305.47 v1(1764.84,-247.16)
  Signal Layer 1 w6: v1(825.84,-1006.84) v1@825.84,-924.16 ; v1(1764.84,-247.16) 1764.84,-951.19 1765.84,-952.2 v1(1765.84,-1006.84)
  Bottom Layer w6: v1(825.84,-1006.84) v1(1765.84,-1006.84)
SDO_SOURCE: R39.5 U17.9 | length 1224
  Top Layer w6: R39.5@-2045.16,-804.53 -2045.16,-885.84 -2013,-918 v1@-1191,-918 ; v1(-944.08,-903.92) U17.9@-920.35,-903.92
  Bottom Layer w6: v1(-1191,-915) -1179.92,-903.92 v1(-944.08,-903.92)
SDO_SOURCE2: R65.5 U23.9 | length 1093.3
  Top Layer w6: U23.9@924.37,-794.79 924.37,-779.63 v1(934,-770) ; v1(1719,-925) 1784.84,-859.16 R65.5@1784.84,-819.53
  Signal Layer 1 w6: v1(934,-770) 948,-784 v1(948,-925)
  Bottom Layer w6: v1(948,-925) v1(1719,-925)
SOURCE_REF_1_N: P2.4 U12.3 | length 2357.2
  Top Layer w10: P2.4@-1633,-125 -1623,-115 -1623,-107.37 -1506,9.63 -1506,386.63 ; -1507,385.63 -1506,386.63 ; -1501.31,391.31 -1506,386.63 ; U12.3@-74.84,1240.63 -157,1240.63 -847.63,550 -1342.63,550 -1506,386.63
SOURCE_REF_1_P: P2.3 U12.4 | length 2324.5
  Top Layer w10: P2.3@-1606,-132 -1606,-113 -1490,3 -1490,380 -1336,534 -841,534 -154.06,1220.94 -108.53,1220.94 -107.37,1222.1 -90.11,1222.1 -88.95,1220.94 U12.4@-74.84,1220.94
SOURCE_REF_2_N: P4.3 U12.22 | length 3522.9
  Top Layer w10: U12.22@129.88,1240.63 308,1240.63 v1(311,1243.63) ; v1@2217.31,-218.31 2222.92,-212.71 2222.92,-193.5 2232.28,-184.13 P4.3@2232.28,-149.61
  Bottom Layer w10: v1(311,1243.63) 348.37,1281 1414.63,1281 1740.63,955 2143.63,955 2306,792.63 2306,-129.63 2217.31,-218.31 2217.31,-219.31 v1(2220.24,-222.24)
SOURCE_REF_2_P: P4.4 U12.21 | length 3482.8
  Top Layer w10: U12.21@129.88,1220.94 147.47,1220.94 148.63,1222.1 165.89,1222.1 167.05,1220.94 308,1220.94 v1(311,1217.95) ; P4.4@2192.91,-149.61 2192.91,-184.13 2204.6,-195.82 2204.6,-208.4 2204.3,-208.7 2204.3,-206.3 v1(2202.08,-204.08)
  Bottom Layer w10: v1(311,1217.95) 315.84,1222.79 319.63,1222.79 361.85,1265 1408,1265 1734,939 2137,939 2290,786 2290,-123 2206,-207 2205,-207 v1(2202.08,-204.08)
SW1D1: R39.3 R68.5 U8.57 | length 2339.3
  Top Layer w6: R39.3@-2084.53,-804.53 -2084.53,-1018.47 -2070,-1033 v1(-2070,-1080) ; R68.5@-124.68,-1095.47 -118.11,-1088.9 v1(-118.11,-1080) U8.57@-118.11,-992.24
  Bottom Layer w6: v1(-2070,-1080) v1(-118.11,-1080)
SW1D2: R39.2 R68.6 U8.56 | length 2356.7
  Top Layer w6: v1@-2104.21,-1055.79 R39.2@-2104.21,-804.53 ; U8.56@-137.8,-992.24 v1(-137.8,-1060) -137.8,-1072.8 -145,-1080 -145,-1110 -139.84,-1115.16 R68.6@-124.68,-1115.16
  Bottom Layer w6: v1(-2100,-1060) v1(-137.8,-1060)
SW1D3: R39.1 R68.7 U8.55 | length 2480.3
  Top Layer w6: v1(-2140,-1125) -2123.9,-1108.9 R39.1@-2123.9,-804.53 ; v1(-160,-1125) v1@-155,-1125 ; U8.55@-157.48,-992.24 -157.48,-1122.52 v1@-155,-1125 ; R68.7@-124.68,-1134.84 -145.16,-1134.84 v1@-155,-1125
  Bottom Layer w6: v1(-2140,-1125) v1(-160,-1125)
SYNC_LO: R38.13 R39.8 | length 1017.7
  Top Layer w6: R39.8@-1986.1,-804.53 -1986.1,-832.9 -1953,-866 v1@-1909,-866
  Top Layer w10: R38.13@-2084.84,-305.47 -2084.84,-248.22 -2040.78,-204.16 -1937.84,-204.16 v1(-1921,-221)
  Signal Layer 1 w10: v1(-1921,-221) -1907.16,-234.84 -1907.16,-320.63 -1908.16,-321.63 -1908.16,-866.84 v1(-1908,-867)
SYNC_LO2: R64.13 R65.8 | length 930.8
  Top Layer w6: R64.13@1745.16,-305.47 v1(1745.16,-278.16) ; v1(1747,-969) 1781,-969 1843.9,-906.1 R65.8@1843.9,-819.53
  Signal Layer 1 w6: v1(1745.16,-278.16) 1749.84,-282.84 1749.84,-966.16 v1(1747,-969)
TCXO_LVCMOS: R52.2 R76.2 R78.2 U12.29 | length 929
  Top Layer w6: R76.2@-230,669 -230,698 -115,813 v1(8,813) 58,813 78.31,792.69 R52.2@78.31,761.48 ; v1(17.68,1288.68) U12.29@17.68,1313.46
  Signal Layer 1 w6: v1(8,813) 9.66,814.66 9.66,1280.66 v1(17.68,1288.68)
VSYS: C46.1 C47.1 T1.1 U19.10 U19.11 U19.12 U19.13 | length 83.6
  Top Layer w10: U19.13@804.38,1149.98 C47.1@863.46,1209.06
pads on no net: P1.25 P1.26 P1.27 P1.28 P1.29 P2.9 P3.4 P4.9 P5.25 P5.26 P5.27 P5.28 P5.29 R16.5 R37.7 R37.10 R66.5 R67.7 R67.10 R68.1 R68.8 R69.2 R69.7 SW1.3 SW1.4 U2.4 U3.4 U5.4 U6.4 U6.6 U6.14 U6.15 U6.16 U6.17 U6.18 U6.19 U6.20 U6.21 U7.14 U8.2 U8.3 U8.9 U8.14 U8.15 U8.16 U8.33 U8.34 U8.35 U8.36 U8.37 U8.38 U8.39 U8.40 U8.41 U8.42 U8.43 U8.44 U8.45 U8.46 U8.48 U8.52 U8.61 U8.62 U8.63 U8.64 U8.65 U8.66 U8.67 U8.68 U8.69 U8.78 U8.79 U8.80 U8.82 U8.84 U8.85 U8.86 U8.87 U8.88 U8.98 U10.14 U11.4 U11.6 U11.14 U11.15 U11.16 U11.17 U11.18 U11.19 U11.20 U11.21 U12.12 U12.25 U13.1 U13.2 U13.3 U13.8 U15.2 U19.4 U20.4 U21.8 U21.11 U21.19 U21.20 U22.8 U22.11 U22.20 U24.4 U25.4 U26.4 U27.4 USB1.4

## Polygon pours and split planes (outlines as drawn)
GND on Bottom Layer "GND_L04_P006" (solid, remove dead copper, pour order 6): -2559.06,-1476.38 2559.05,-1476.38 2559.06,1476.38 -2559.06,1476.38
3.3LO on Bottom Layer "3.3LO_L04_P000" (solid, remove dead copper, pour order 0): -147.64,787.4 344.49,787.4 344.49,649.61 147.64,452.76 -147.64,452.76
3.3OSC on Bottom Layer "3.3OSC_L04_P002" (solid, remove dead copper, pour order 2): -639.76,1456.69 452.76,1456.69 452.76,1318.9 433.07,1299.21 344.49,1299.21 216.54,1171.26 216.54,984.25 127.95,895.67 -295.28,895.67 -542.61,1143 -639.76,1143
GND on Top Layer "GND_L01_P004" (solid, remove dead copper, pour order 4): -2559.06,1476.38 2559.05,1476.38 2559.05,-1476.38 -2559.06,-1476.38
GND on Internal Plane 1 (split plane): 2538.96,-1456.28 -2538.96,-1456.28 -2538.96,1456.28 2538.96,1456.28

## Keep-outs
Keep-Out Layer:
  the board outline again, w13

## Other copper
Top Layer:
  rectangle net NetL47_1: 706,731 755,755
  rectangle net 5V: 530,895 570,1025
  rectangle net 5V: 535,895 755,945
  rectangle net VSYS: 880,1075 985,1440
  rectangle net VSYS: 845,1075 895,1290
  rectangle net NetL48_1: 680,1075 710,1125
  rectangle net 5V: 530,1155 570,1205
  rectangle net 5V: 530,1190 675,1255

## Silkscreen, mask and mechanical layers (free items; w line width, h text height)
Top Overlay:
  text "+" at -195,1367 h39.37 r180
  text "+" at -652,1170 h39.37 r180
  text "+" at -475,1126 h39.37 r180

## Text inside footprints (layer, text, board x,y; h text height)
R16: Mechanical 1 "R1" at -692.91,-862.84 h11.81 r90
R19: Mechanical 1 "R1" at 602.09,-237.84 h11.81 r90
R53: Mechanical 1 "R1" at 442.91,-652.16 h11.81 r270
R58: Mechanical 1 "R1" at -624.49,-264.28 h11.81 r270
R60: Mechanical 1 "R1" at 732.16,72.91 h11.81
R63: Mechanical 1 "R1" at -751.24,377.12 h11.81 r180
R66: Mechanical 1 "R1" at 692.91,-737.16 h11.81 r270
R68: Mechanical 1 "R1" at -112.09,-1117.16 h11.81 r270
R69: Mechanical 1 "R1" at -397.91,-582.84 h11.81 r90
U6: Top Overlay "*" at 686.42,-368.11 h39.37 r90
U11: Top Overlay "*" at -670,-105 h39.37 r270
U17: Top Overlay "*" at -841.61,-805.5 h60 r270
U21: Top Overlay "*" at 691.42,126.57 h39.37 r90
U22: Top Overlay "*" at -711.42,323.43 h39.37 r270
U23: Top Overlay "*" at 845.63,-893.21 h60 r90